# Altium PCB BLDC_DRIVER_1.1.PcbDoc (continued)
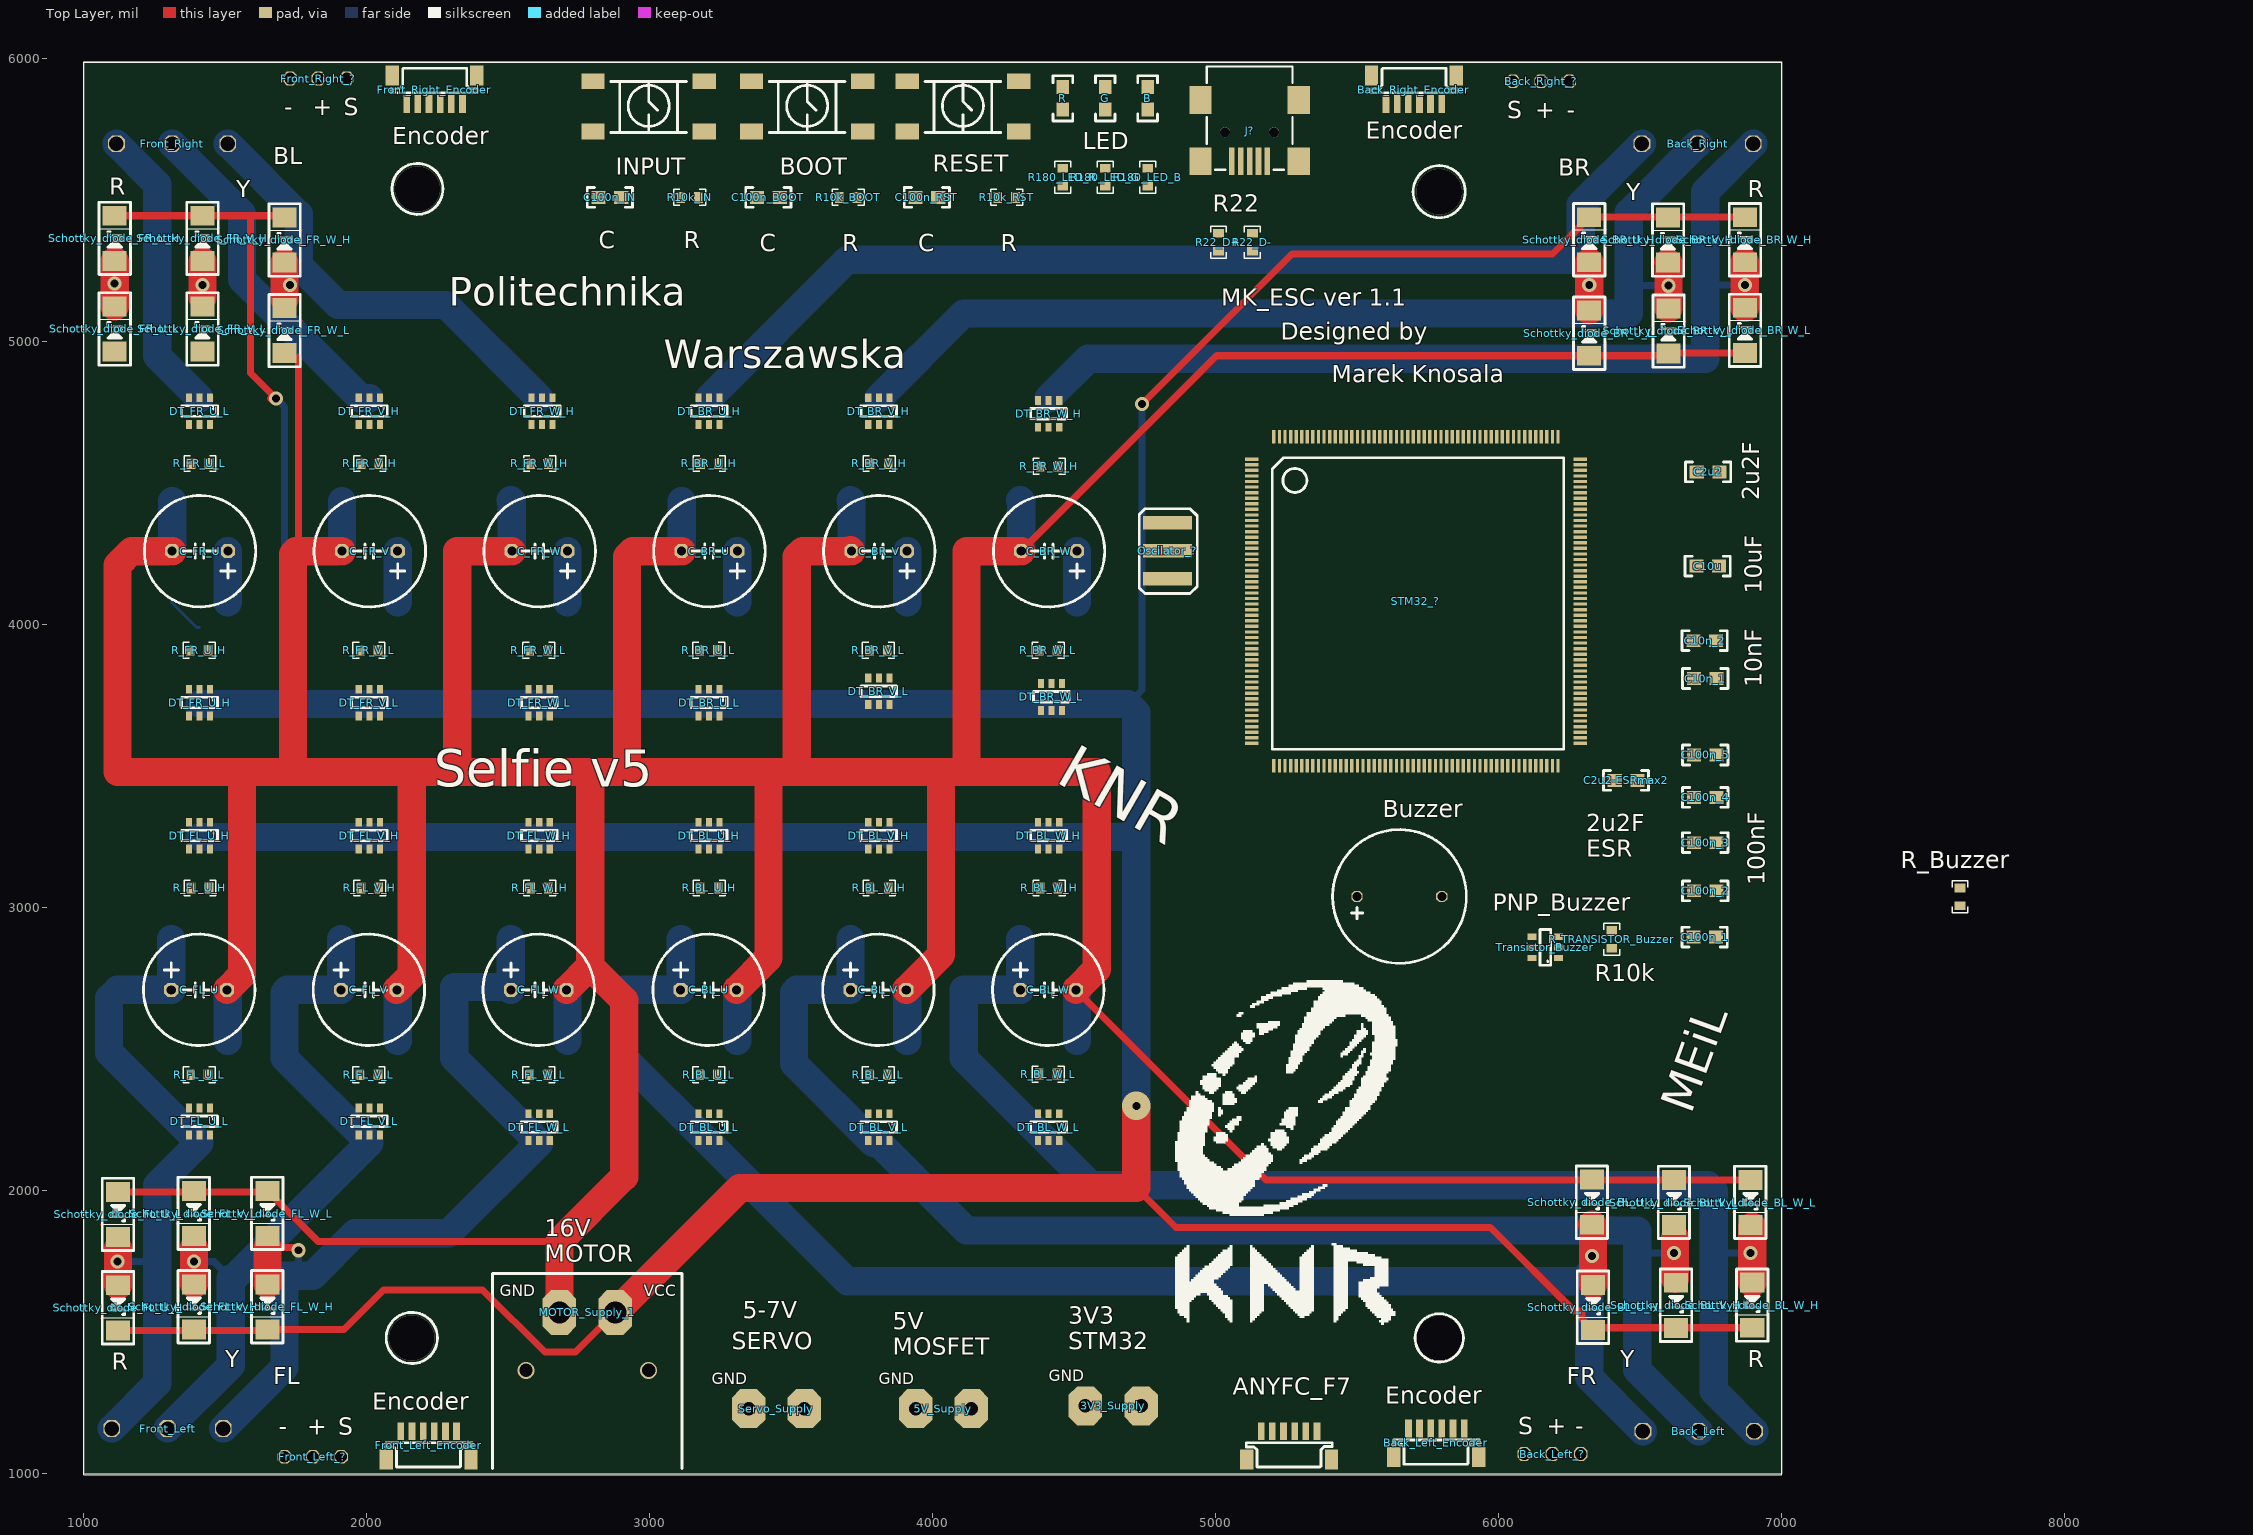
[diagram p0: Top Layer view]
## Components (designator, comment, footprint, x,y, rotation, side; value= is the part's Value field where it differs from the comment) (continued)
R_DT_FL_W_L "Res" R0603 7980,2860 r270 bottom
R_DT_FR_U_H "Res" R0603 7980,3760 r270 bottom
R_DT_FR_U_L "Res" R0603 7730,3760 r270 bottom
R_DT_FR_V_H "Res" R0603 8230,3760 r270 bottom
R_DT_FR_V_L "Res" R0603 7730,4210 r270 bottom
R_DT_FR_W_H "Res" R0603 8480,3760 r270 bottom
R_DT_FR_W_L "Res" R0603 7980,4210 r270 bottom
R_FL_U_H "Res" R0603 1380,3070 r0 top
R_FL_U_L "Res" R0603 1440,2410 r180 top
R_FL_V_H "Res" R0603 1980,3070 r0 top
R_FL_V_L "Res" R0603 2040,2410 r180 top
R_FL_W_H "Res" R0603 2580,3070 r0 top
R_FL_W_L "Res" R0603 2640,2410 r180 top
R_FR_U_H "Res" R0603 1440,3910 r180 top
R_FR_U_L "Res" R0603 1380,4570 r0 top
R_FR_V_H "Res" R0603 1980,4570 r0 top
R_FR_V_L "Res" R0603 2040,3910 r180 top
R_FR_W_H "Res" R0603 2580,4570 r0 top
R_FR_W_L "Res" R0603 2640,3910 r180 top
R_GND_5V_3V3 "Res" R0603 4410,1470 r0 bottom
R_GND_MOT_SERV "Res" R0603 3210,1470 r0 bottom
R_GND_SERV_5V "Res" R0603 3810,1470 r0 bottom
R_TRANSISTOR_Buzzer "Res" R0603 6400,2920 r270 top
RESET "Tact_Switch" "LSH Gullwing" 3910,5920 r180 top
Schottky_diode_BL_U_H "Schottky_diode" DO-214AC 6333.62,1508.07 r270 top
Schottky_diode_BL_U_L "Schottky_diode" DO-214AC 6330,1880 r270 top
Schottky_diode_BL_V_H "Schottky_diode" DO-214AC 6627.09,1515.36 r270 top
Schottky_diode_BL_V_L "Schottky_diode" DO-214AC 6619.81,1878.86 r270 top
Schottky_diode_BL_W_H "Schottky_diode" DO-214AC 6896.11,1516.15 r270 top
Schottky_diode_BL_W_L "Schottky_diode" DO-214AC 6889.81,1878.86 r270 top
Schottky_diode_BR_U_H "Schottky_diode" DO-214AC 6320,5440 r90 top
Schottky_diode_BR_U_L "Schottky_diode" DO-214AC 6320,5110 r90 top
Schottky_diode_BR_V_H "Schottky_diode" DO-214AC 6598.19,5439.49 r90 top
Schottky_diode_BR_V_L "Schottky_diode" DO-214AC 6600,5117.68 r90 top
Schottky_diode_BR_W_H "Schottky_diode" DO-214AC 6870,5440 r90 top
Schottky_diode_BR_W_L "Schottky_diode" DO-214AC 6870,5120 r90 top
Schottky_diode_FL_U_H "Schottky_diode" DO-214AC 1122.13,1506.57 r270 top
Schottky_diode_FL_U_L "Schottky_diode" DO-214AC 1122.13,1836.57 r270 top
Schottky_diode_FL_V_H "Schottky_diode" DO-214AC 1390,1510 r270 top
Schottky_diode_FL_V_L "Schottky_diode" DO-214AC 1390,1840 r270 top
Schottky_diode_FL_W_H "Schottky_diode" DO-214AC 1650,1510 r270 top
Schottky_diode_FL_W_L "Schottky_diode" DO-214AC 1650,1840 r270 top
Schottky_diode_FR_U_H "Schottky_diode" DO-214AC 1110,5445 r90 top
Schottky_diode_FR_U_L "Schottky_diode" DO-214AC 1110,5125 r90 top
Schottky_diode_FR_V_H "Schottky_diode" DO-214AC 1420,5445 r90 top
Schottky_diode_FR_V_L "Schottky_diode" DO-214AC 1420,5125 r90 top
Schottky_diode_FR_W_H "Schottky_diode" DO-214AC 1710,5439.45 r90 top
Schottky_diode_FR_W_L "Schottky_diode" DO-214AC 1710,5119.45 r90 top
Servo_Supply "2-pin" 2-pin-zielony-prosty 3350,1230 r0 top
STM32_? "STM32F769BGT6-SELFIE" LQFP208 5200,4640 r0 top
TO1 "HCPL-090J" SOIC-16 6620,2530 r270 bottom
TO2 "HCPL-090J" SOIC-16 6620,2990 r270 bottom
TO3 "HCPL-090J" SOIC-16 6610,3430 r270 bottom
TO4 "HCPL-090J" SOIC-16 6600,3860 r270 bottom
TO5 "HCPL-090J" SOIC-16 6610,4330 r270 bottom
TO6 "HCPL-090J" SOIC-16 6610,4800 r270 bottom
Transistor_Buzzer "PBSS4160DPN.115" SOT457 6100,2860 r90 top

## Footprints (in the part's own frame and the unit in brackets; to place one, negate y for a bottom-side part, rotate by r counter-clockwise, add the part's x,y. Pads: shape width x height; smd on the part's side, far side on the other; paste and mask are expansions set on the pad)
2-pin-zielony-prosty [mm]
  oct 3x3.5 hole 1.2: 1(0,0) 2(5,0)
  body extent -3.5,-4.7 8.5,3.8, height 12
5mm [mil]
  oct 50x50 hole 32: 1(0,0) 2(196.85,0)
  silkscreen extent -98,-197 295,197, body extent -98,-197 295,197, height 787
0603 [mil]
  rect 50x45 smd: 1(0,0) 2(80,0)
  silkscreen extent -40,-35 120,35, body extent 9,-17 72,17, height 33
65100516121 [mm] "Mini USB 2.0 Type B SMT Horizontal 5 Contacts"
  rect 0.5x2.5 smd: 1(-1.6,3.875) 2(-0.8,3.875) 3(0,3.875) 4(0.8,3.875) 5(1.6,3.875)
  round 0.9 hole 0.9 unplated: MH1(-2.2,1.275) MH2(2.2,1.275)
  rect 2x2.5 smd: Shell(-4.4,3.875) Shell(-4.4,-1.625) Shell(4.4,3.875) Shell(4.4,-1.625)
  silkscreen extent -3.85,-4.62 3.85,4.62, body extent -4.8,-4.62 4.8,4.63, height 3.92
Buzzer_LOUDITY [mm]
  oct 1x1 hole 0.8: 1(-7.6,0) 2(0,0)
  silkscreen extent -9.8,-6 2.2,6, body extent -9.8,-6 5.65,6, height 9.65
CSTCC8M00G53-R0 [mm]
  rect 1.2x4.4 smd: 1(0,0) 2(2.5,0) 3(5,0)
  silkscreen extent -1.27,-2.54 6.35,2.67, body extent -1.06,-1.52 6.14,1.48, height 1.25
DG300-5.0-03P-12-00A [mm]
  oct 1.5x1.5 hole 1.3: 1(0,0) 2(5,0) 3(10,0)
  body extent -2.5,-4 12.5,5, height 12.6
DG300R-5.0-03P-12-00A(H) [mm]
  oct 1.5x1.5 hole 1.3: 1(0,0) 2(5,0) 3(10,0)
  body extent -2.5,-7.3 13.1,2.7, height 7.6
DO-214AC [mm]
  rect 1.78x2.16 smd: 1(-4.05,0) 2(0,0)
  Top Layer lines w0.051: -1.092,-1.575 -1.143,-1.524
  silkscreen extent -5.28,-1.52 1.22,1.4, body extent -4.55,-1.43 0.45,1.27, height 2.33
"JST SR SH 1.0 TOP" [mm]
  rect 0.6x1.6 smd: 1(1.3,2.55) 2(2.3,2.55) 3(3.3,2.55) 4(4.3,2.55) 5(5.3,2.55) 6(6.3,2.55)
  rect 1.2x1.8 smd: 7(7.6,0) 8(0,0)
  silkscreen extent -0.05,-0.66 7.67,1.52, body extent -0.19,-0.74 7.81,2.86, height 4.25
LQFP208 [mm]
  rect 1.2x0.3 smd: 1(-1.85,-1.4) 2(-1.85,-1.9) 3(-1.85,-2.4) 4(-1.85,-2.9) 5(-1.85,-3.4) 6(-1.85,-3.9) 7(-1.85,-4.4) 8(-1.85,-4.9) 9(-1.85,-5.4) 10(-1.85,-5.9) 11(-1.85,-6.4) 12(-1.85,-6.9) 13(-1.85,-7.4) 14(-1.85,-7.9) 15(-1.85,-8.4) 16(-1.85,-8.9) 17(-1.85,-9.4) 18(-1.85,-9.9) 19(-1.85,-10.4) 20(-1.85,-10.9) 21(-1.85,-11.4) 22(-1.85,-11.9) 23(-1.85,-12.4) 24(-1.85,-12.9) 25(-1.85,-13.4) 26(-1.85,-13.9) 27(-1.85,-14.4) 28(-1.85,-14.9) 29(-1.85,-15.4) 30(-1.85,-15.9) 31(-1.85,-16.4) 32(-1.85,-16.9) 33(-1.85,-17.4) 34(-1.85,-17.9) 35(-1.85,-18.4) 36(-1.85,-18.9) 37(-1.85,-19.4) 38(-1.85,-19.9) 39(-1.85,-20.4) 40(-1.85,-20.9) 41(-1.85,-21.4) 42(-1.85,-21.9) 43(-1.85,-22.4) 44(-1.85,-22.9) 45(-1.85,-23.4) 46(-1.85,-23.9) 47(-1.85,-24.4) 48(-1.85,-24.9) 49(-1.85,-25.4) 50(-1.85,-25.9) 51(-1.85,-26.4) 52(-1.85,-26.9) 105(27.65,-26.9) 106(27.65,-26.4) 107(27.65,-25.9) 108(27.65,-25.4) 109(27.65,-24.9) 110(27.65,-24.4) 111(27.65,-23.9) 112(27.65,-23.4) 113(27.65,-22.9) 114(27.65,-22.4) 115(27.65,-21.9) 116(27.65,-21.4) 117(27.65,-20.9) 118(27.65,-20.4) 119(27.65,-19.9) 120(27.65,-19.4) 121(27.65,-18.9) 122(27.65,-18.4) 123(27.65,-17.9) 124(27.65,-17.4) 125(27.65,-16.9) 126(27.65,-16.4) 127(27.65,-15.9) 128(27.65,-15.4) 129(27.65,-14.9) 130(27.65,-14.4) 131(27.65,-13.9) 132(27.65,-13.4) 133(27.65,-12.9) 134(27.65,-12.4) 135(27.65,-11.9) 136(27.65,-11.4) 137(27.65,-10.9) 138(27.65,-10.4) 139(27.65,-9.9) 140(27.65,-9.4) 141(27.65,-8.9) 142(27.65,-8.4) 143(27.65,-7.9) 144(27.65,-7.4) 145(27.65,-6.9) 146(27.65,-6.4) 147(27.65,-5.9) 148(27.65,-5.4) 149(27.65,-4.9) 150(27.65,-4.4) 151(27.65,-3.9) 152(27.65,-3.4) 153(27.65,-2.9) 154(27.65,-2.4) 155(27.65,-1.9) 156(27.65,-1.4)
  rect 0.3x1.2 smd: 53(0.15,-28.9) 54(0.65,-28.9) 55(1.15,-28.9) 56(1.65,-28.9) 57(2.15,-28.9) 58(2.65,-28.9) 59(3.15,-28.9) 60(3.65,-28.9) 61(4.15,-28.9) 62(4.65,-28.9) 63(5.15,-28.9) 64(5.65,-28.9) 65(6.15,-28.9) 66(6.65,-28.9) 67(7.15,-28.9) 68(7.65,-28.9) 69(8.15,-28.9) 70(8.65,-28.9) 71(9.15,-28.9) 72(9.65,-28.9) 73(10.15,-28.9) 74(10.65,-28.9) 75(11.15,-28.9) 76(11.65,-28.9) 77(12.15,-28.9) 78(12.65,-28.9) 79(13.15,-28.9) 80(13.65,-28.9) 81(14.15,-28.9) 82(14.65,-28.9) 83(15.15,-28.9) 84(15.65,-28.9) 85(16.15,-28.9) 86(16.65,-28.9) 87(17.15,-28.9) 88(17.65,-28.9) 89(18.15,-28.9) 90(18.65,-28.9) 91(19.15,-28.9) 92(19.65,-28.9) 93(20.15,-28.9) 94(20.65,-28.9) 95(21.15,-28.9) 96(21.65,-28.9) 97(22.15,-28.9) 98(22.65,-28.9) 99(23.15,-28.9) 100(23.65,-28.9) 101(24.15,-28.9) 102(24.65,-28.9) 103(25.15,-28.9) 104(25.65,-28.9) 157(25.65,0.6) 158(25.15,0.6) 159(24.65,0.6) 160(24.15,0.6) 161(23.65,0.6) 162(23.15,0.6) 163(22.65,0.6) 164(22.15,0.6) 165(21.65,0.6) 166(21.15,0.6) 167(20.65,0.6) 168(20.15,0.6) 169(19.65,0.6) 170(19.15,0.6) 171(18.65,0.6) 172(18.15,0.6) 173(17.65,0.6) 174(17.15,0.6) 175(16.65,0.6) 176(16.15,0.6) 177(15.65,0.6) 178(15.15,0.6) 179(14.65,0.6) 180(14.15,0.6) 181(13.65,0.6) 182(13.15,0.6) 183(12.65,0.6) 184(12.15,0.6) 185(11.65,0.6) 186(11.15,0.6) 187(10.65,0.6) 188(10.15,0.6) 189(9.65,0.6) 190(9.15,0.6) 191(8.65,0.6) 192(8.15,0.6) 193(7.65,0.6) 194(7.15,0.6) 195(6.65,0.6) 196(6.15,0.6) 197(5.65,0.6) 198(5.15,0.6) 199(4.65,0.6) 200(4.15,0.6) 201(3.65,0.6) 202(3.15,0.6) 203(2.65,0.6) 204(2.15,0.6) 205(1.65,0.6) 206(1.15,0.6) 207(0.65,0.6) 208(0.15,0.6)
  silkscreen extent 0,-27.43 26.16,-1.27, body extent -1.84,-28.92 27.66,0.58, height 1.39
"LSH Gullwing" [mm]
  rect 2.1x1.4 smd: 1(-10,4.5) 2(0,4.5) 3(-10,0) 4(0,0)
  silkscreen extent -8.4,0 -1.6,4.6, body extent -10,-0.75 0,5.25, height 4.97
R0603 [mil]
  rect 31x38 smd: 1(0,0) 2(63,0)
  silkscreen extent -25,-28 88,28, body extent -1,-17 62,17, height 19
Raster_2.54_3pin [mm]
  oct 1.22x1.22 hole 1.05: 1(0,0) 2(2.54,0) 3(5.08,0)
  body extent -1.27,-1.27 6.35,1.27, height 8.57
SOIC-16 [mm]
  rect 0.72x1.78 smd: 1(0.11,-0.46) 2(1.38,-0.46) 3(2.65,-0.46) 4(3.92,-0.46) 5(5.19,-0.46) 6(6.46,-0.46) 7(7.73,-0.46) 8(9,-0.46) 9(9,6) 10(7.73,6) 11(6.46,6) 12(5.19,6) 13(3.92,6) 14(2.65,6) 15(1.38,6) 16(0.11,6)
  silkscreen extent -0.53,0.79 9.63,4.73, body extent -0.5,-0.3 9.7,5.7, height 1.7
SOT457 [mm]
  rect 0.55x0.8 smd: 1(-0.95,-2.85) 2(0,-2.85) 3(0.95,-2.85) 4(0.95,-0.45) 5(0,-0.45) 6(-0.95,-0.45)
  silkscreen extent -1.6,-2.13 1.6,-1.18, body extent -1.45,-3.05 1.45,-0.25, height 1.23
TO-263 [mm]
  rect 10.8x9.4 smd: D(-2.54,9.15)
  rect 1.35x4.6 smd: G(-5.08,0) S(0,0)
  silkscreen extent -8.89,-3.05 3.81,14.48, body extent -7.54,-1.94 2.46,13.73, height 4.83
XT30-katowy-in [mm]
  oct 3x4 hole 2: 1(2.5,0) 2(-2.5,0)
  silkscreen extent -8.5,-3.5 8.5,14, body extent -6.65,-0.91 6.65,14.1, height 5.2

## Part data
J?: "Mini USB 2.0 Type B Receptacle WR-COM, Horizontal, SMT, with Pads and Pegs"

## Via types
v1: diameter 50, hole 28, Top Layer to Bottom Layer, 14 vias
v2: diameter 160, hole 160, Top Layer to Bottom Layer, 4 vias
v3: diameter 59.06, hole 47.24, Top Layer to Bottom Layer, 2 vias
v4: diameter 100, hole 28, Top Layer to Bottom Layer, 1 vias

## Nets (pads, with @x,y where several pads share a name; then routed paths per layer and width w, separated by ;. In a path a pad name is that pad's centre, name@x,y a point inside that pad or via, vN(x,y) a via of type N, cw(c..) or ccw(c..) an arc to the next point about the centre after c; other vN are vias at no path point)
3V3: 3V3_Supply.2 ANYFC_F7.1 Back_Left_Encoder.1 Back_Right_Encoder.1 BOOT.3 BOOT.4 C2u2.2 C10n_1.2 C10n_2.2 C10u.2 C100n_1.2 C100n_2.2 C100n_3.2 C100n_4.2 C100n_5.2 C100n_BOOT.2 Front_Left_Encoder.1 Front_Right_Encoder.1 R10k_IN.2 R10k_RST.2 R_Buzzer.2 STM32_?.6 STM32_?.15 STM32_?.26 STM32_?.39 STM32_?.41 STM32_?.42 STM32_?.52 STM32_?.59 STM32_?.73 STM32_?.83 STM32_?.94 STM32_?.103 STM32_?.115 STM32_?.118 STM32_?.137 STM32_?.150 STM32_?.158 STM32_?.171 STM32_?.185 STM32_?.204 TO1.1 TO2.1 TO3.1 TO4.1 TO5.1 TO6.1
GND_3V3: 3V3_Supply.1 ANYFC_F7.2 B.2 Back_Left_Encoder.2 Back_Right_Encoder.2 C2u2.1 C10n_1.1 C10n_2.1 C10u.1 C100n_1.1 C100n_2.1 C100n_3.1 C100n_4.1 C100n_5.1 C100n_IN.2 C100n_RST.2 Front_Left_Encoder.2 Front_Right_Encoder.2 G.2 INPUT.3 INPUT.4 J?.5 Oscilator_?.2 R10k_BOOT.2 R.2 R_GND_5V_3V3.2 RESET.3 RESET.4 STM32_?.14 STM32_?.25 STM32_?.40 STM32_?.51 STM32_?.60 STM32_?.72 STM32_?.82 STM32_?.93 STM32_?.114 STM32_?.122 STM32_?.128 STM32_?.136 STM32_?.149 STM32_?.170 STM32_?.184 STM32_?.202 TO1.2 TO1.8 TO2.2 TO2.8 TO3.2 TO3.8 TO4.2 TO4.8 TO5.2 TO5.8 TO6.2 TO6.8 Transistor_Buzzer.1
GND_5V: 5V_Supply.1 DT_BL_U_H.3 DT_BL_U_L.3 DT_BL_V_H.3 DT_BL_V_L.3 DT_BL_W_H.3 DT_BL_W_L.3 DT_BR_U_H.3 DT_BR_U_L.3 DT_BR_V_H.3 DT_BR_V_L.3 DT_BR_W_H.3 DT_BR_W_L.3 DT_FL_U_H.3 DT_FL_U_L.3 DT_FL_V_H.3 DT_FL_V_L.3 DT_FL_W_H.3 DT_FL_W_L.3 DT_FR_U_H.3 DT_FR_U_L.3 DT_FR_V_H.3 DT_FR_V_L.3 DT_FR_W_H.3 DT_FR_W_L.3 R_GND_5V_3V3.1 R_GND_SERV_5V.2 TO1.9 TO1.15 TO2.9 TO2.15 TO3.9 TO3.15 TO4.9 TO4.15 TO5.9 TO5.15 TO6.9 TO6.15
GND_MOTOR: C_BL_U.2 C_BL_V.2 C_BL_W.2 C_BR_U.2 C_BR_V.2 C_BR_W.2 C_FL_U.2 C_FL_V.2 C_FL_W.2 C_FR_U.2 C_FR_V.2 C_FR_W.2 MOSFET_BL_U_L.S MOSFET_BL_V_L.S MOSFET_BL_W_L.S MOSFET_BR_U_L.S MOSFET_BR_V_L.S MOSFET_BR_W_L.S MOSFET_FL_U_L.S MOSFET_FL_V_L.S MOSFET_FL_W_L.S MOSFET_FR_U_L.S MOSFET_FR_V_L.S MOSFET_FR_W_L.S MOTOR_Supply_1.1 R_GND_MOT_SERV.1 Schottky_diode_BL_U_L.1 Schottky_diode_BL_V_L.1 Schottky_diode_BL_W_L.1 Schottky_diode_BR_U_L.1 Schottky_diode_BR_V_L.1 Schottky_diode_BR_W_L.1 Schottky_diode_FL_U_L.1 Schottky_diode_FL_V_L.1 Schottky_diode_FL_W_L.1 Schottky_diode_FR_U_L.1 Schottky_diode_FR_V_L.1 Schottky_diode_FR_W_L.1 | length 25412.6
  Top Layer w25: Schottky_diode_FL_U_L.1 1646.57,1996.02 Schottky_diode_FL_W_L.1 1827.88,1821.57 2681.57,1821.57 ; Schottky_diode_FR_W_L.1@1734.45,4945.55 Schottky_diode_FR_W_L.1@1740,4940 ; 1740,4250 1750,4260 1760,4270 1760,4945.55 ; C_BR_W.2 5003.7,4950.55 Schottky_diode_BR_U_L.1 6592.32,4950.55 Schottky_diode_BR_V_L.1 6602.32,4960.55 Schottky_diode_BR_W_L.1 ; C_BL_W.2 5178.54,2038.31 Schottky_diode_BL_V_L.1 Schottky_diode_BL_W_L.1
  Top Layer w100: C_FR_U.2 1170,4260 1120,4210 1120,3480 1560,3480 ; C_FL_U.2 1560,2763.15 1560,3480 ; 1740,3480 1740,4250 ; 1750,4260 C_FR_V.2 ; C_FL_V.2 2160,2763.15 2160,3480 ; C_FR_W.2 2320,4260 2320,3480 ; MOTOR_Supply_1.1 2681.57,1821.57 2910,2050 2910,2673.15 2790,2793.15 ; C_FL_W.2 2790,2793.15 ; C_BR_U.2 2940,4260 2920,4240 2920,3480 ; C_BL_U.2 3420,2823.15 3420,3480 ; C_BR_V.2@3710,4263.15 C_BR_V.2 3540,4260 3520,4240 3520,3480 ; C_BL_V.2 4030,2833.15 4030,3480 ; C_BR_W.2 4120,4260 4120,3480 ; C_BL_W.2 4580,2783.15 4580,3480 4120,3480 ; 1560,3480 2160,3480 ; 2160,3480 2320,3480 ; 2320,3480 2790,3480 ; 2790,2793.15 2790,3480 ; 2790,3480 2920,3480 ; 2920,3480 3420,3480 ; 3420,3480 3520,3480 ; 3520,3480 4030,3480 ; 4030,3480 4120,3480
  Bottom Layer w100: C_FR_U.2 MOSFET_FR_U_L.S@1313.15,4436.85 ; C_FL_U.2 1510,2706.85 MOSFET_FL_U_L.S ; C_FR_V.2 MOSFET_FR_V_L.S@1913.15,4436.85 ; C_FL_V.2 2110,2706.85 MOSFET_FL_V_L.S ; MOSFET_FR_W_L.S 2513.15,4436.85 C_FR_W.2 ; MOSFET_FL_W_L.S C_FL_W.2@2710,2706.85 ; C_BR_U.2 MOSFET_BR_U_L.S@3113.15,4436.85 ; C_BL_U.2 3310,2706.85 MOSFET_BL_U_L.S ; MOSFET_BR_V_L.S 3713.15,4436.85 C_BR_V.2 ; C_BL_V.2 3910,2706.85 MOSFET_BL_V_L.S ; MOSFET_BR_W_L.S 4313.15,4436.85 C_BR_W.2 ; MOSFET_BL_W_L.S C_BL_W.2@4510,2706.85
GND_SERVO: Back_Left_?.1 Back_Right_?.1 Front_Left_?.1 Front_Right_?.1 R_GND_MOT_SERV.2 R_GND_SERV_5V.1 Servo_Supply.1
NetANYFC_F7_3: ANYFC_F7.3 STM32_?.30
NetANYFC_F7_4: ANYFC_F7.4 STM32_?.29
NetANYFC_F7_5: ANYFC_F7.5 STM32_?.28
NetANYFC_F7_6: ANYFC_F7.6 STM32_?.27
NetB_1: B.1 R180_LED_B.2
NetBack_Left_1: Back_Left.1 C_BL_U.1 MOSFET_BL_U_H.S MOSFET_BL_U_L.D Schottky_diode_BL_U_H.1 Schottky_diode_BL_U_L.2 | length 5299
  Top Layer w100: Schottky_diode_BL_U_L.2 6333.62,1876.38 Schottky_diode_BL_U_H.1
  Bottom Layer w25: 6260,1680 6260,1700 v1(6330,1770)
  Bottom Layer w100: MOSFET_BL_U_H.S C_BL_U.1 2910,2710 2910,2469.76 MOSFET_BL_U_L.D 3699.76,1680 6260,1680 6320,1680 6320,1340 Back_Left.1
NetBack_Left_2: Back_Left.2 C_BL_V.1 MOSFET_BL_V_H.S MOSFET_BL_V_L.D Schottky_diode_BL_V_H.1 Schottky_diode_BL_V_L.2 | length 4935.1
  Top Layer w100: Schottky_diode_BL_V_H.1@6622.91,1688.42 6622.91,1835.19
  Bottom Layer w25: 6490,1780 v1(6620,1780)
  Bottom Layer w100: MOSFET_BL_V_H.S C_BL_V.1 3520,2710 3510,2700 3510,2450 3790.24,2169.76 MOSFET_BL_V_L.D 4119.76,1860 6490,1860 6490,1780 6490,1366.85 Back_Left.2
NetBack_Left_3: Back_Left.3 C_BL_W.1 MOSFET_BL_W_H.S MOSFET_BL_W_L.D Schottky_diode_BL_W_H.1 Schottky_diode_BL_W_L.2 | length 4701.3
  Top Layer w100: Schottky_diode_BL_W_H.1 Schottky_diode_BL_W_L.2@6896.11,1872.56
  Bottom Layer w25: 6760,1780 v1(6890,1780)
  Bottom Layer w100: MOSFET_BL_W_H.S C_BL_W.1 4110,2710 4110,2469.76 MOSFET_BL_W_L.D 4559.76,2020 6740,2020 6760,2000 6760,1780 6760,1293.7 Back_Left.3
NetBack_Left_?_3: Back_Left_?.3 STM32_?.96
NetBack_Left_Encoder_3: Back_Left_Encoder.3 STM32_?.63
NetBack_Left_Encoder_4: Back_Left_Encoder.4 STM32_?.162
NetBack_Left_Encoder_5: Back_Left_Encoder.5 STM32_?.161
NetBack_Left_Encoder_6: Back_Left_Encoder.6 STM32_?.160
NetBack_Right_1: Back_Right.1 C_BR_W.1 MOSFET_BR_W_H.S MOSFET_BR_W_L.D Schottky_diode_BR_W_H.1 Schottky_diode_BR_W_L.2 | length 3689
  Top Layer w100: Schottky_diode_BR_W_L.2 v1(6870,5200.28) Schottky_diode_BR_W_H.1
  Bottom Layer w25: 6730,5200 6730.28,5200.28 v1(6870,5200.28)
  Bottom Layer w100: MOSFET_BR_W_L.D 4549.76,4940 6730,4940 6730,5200 6730,5530 Back_Right.1 ; MOSFET_BR_W_H.S C_BR_W.1
NetBack_Right_2: Back_Right.2 C_BR_V.1 MOSFET_BR_V_H.S MOSFET_BR_V_L.D Schottky_diode_BR_V_H.1 Schottky_diode_BR_V_L.2 | length 3955.9
  Top Layer w100: Schottky_diode_BR_V_H.1 6600,5278.23 v1(6600,5197.95) Schottky_diode_BR_V_L.2
  Bottom Layer w25: 6462.05,5197.95 v1(6600,5197.95)
  Bottom Layer w100: MOSFET_BR_V_L.D 4109.76,5100 6460,5100 6460,5456.85 Back_Right.2 ; MOSFET_BR_V_H.S C_BR_V.1
NetBack_Right_3: Back_Right.3 C_BR_U.1 MOSFET_BR_U_H.S MOSFET_BR_U_L.D Schottky_diode_BR_U_H.1 Schottky_diode_BR_U_L.2 | length 4235.4
  Top Layer w100: Schottky_diode_BR_U_L.2 v1(6320,5200) Schottky_diode_BR_U_H.1
  Bottom Layer w25: 6290,5290 6290,5230 v1(6320,5200)
  Bottom Layer w100: MOSFET_BR_U_L.D 3699.76,5290 6290,5290 6290,5483.7 Back_Right.3 ; MOSFET_BR_U_H.S C_BR_U.1
NetBack_Right_?_3: Back_Right_?.3 STM32_?.99
NetBack_Right_Encoder_3: Back_Right_Encoder.3 STM32_?.5
NetBack_Right_Encoder_4: Back_Right_Encoder.4 STM32_?.4
NetBack_Right_Encoder_5: Back_Right_Encoder.5 STM32_?.1
NetBack_Right_Encoder_6: Back_Right_Encoder.6 STM32_?.3
NetBOOT_1: BOOT.1 BOOT.2 C100n_BOOT.1 R10k_BOOT.1 STM32_?.197
NetBuzzer_1: Buzzer.1 Transistor_Buzzer.6
NetBuzzer_2: Buzzer.2 R_Buzzer.1
NetC2u2-ESRmax2_1: C2u2-ESRmax2.1 STM32_?.148
NetC2u2-ESRmax2_2: C2u2-ESRmax2.2 STM32_?.92
NetC100n_IN_1: C100n_IN.1 INPUT.1 INPUT.2 R10k_IN.1 STM32_?.48
NetC100n_RST_1: C100n_RST.1 R10k_RST.1 RESET.1 RESET.2 STM32_?.34
NetC_FL_U_1: C_FL_U.1 Front_Left.1 MOSFET_FL_U_H.S MOSFET_FL_U_L.D Schottky_diode_FL_U_H.1 Schottky_diode_FL_U_L.2 | length 2476.4
  Top Layer w100: Schottky_diode_FL_U_H.1 1122.13,1796.57
  Bottom Layer w25: v1(1120,1750) 1230,1750 1260,1720
  Bottom Layer w100: Front_Left.1 1260,1320 1260,1720 1260,2019.76 MOSFET_FL_U_L.D 1090,2489.76 1090,2680 1120,2710 C_FL_U.1 MOSFET_FL_U_H.S
NetC_FL_V_1: C_FL_V.1 Front_Left.2 MOSFET_FL_V_H.S MOSFET_FL_V_L.D Schottky_diode_FL_V_H.1 Schottky_diode_FL_V_L.2 | length 2635.2
  Top Layer w100: Schottky_diode_FL_V_H.1 v1(1390,1750) 1390,1800
  Bottom Layer w25: v1(1390,1750) 1460,1750 1520,1690
  Bottom Layer w100: Front_Left.2 1520,1383.15 1520,1690 1530.24,1690 MOSFET_FL_V_L.D 1710,2469.76 1710,2700 1720,2710 C_FL_V.1 MOSFET_FL_V_H.S
NetC_FL_W_1: C_FL_W.1 Front_Left.3 MOSFET_FL_W_H.S MOSFET_FL_W_L.D Schottky_diode_FL_W_H.1 Schottky_diode_FL_W_L.2 | length 3138.2
  Top Layer w25: 1650,1800 1750,1800 v1(1760,1790)
  Top Layer w100: Schottky_diode_FL_W_H.1 1650,1800
  Bottom Layer w25: 1710,1700 1760,1750 v1(1760,1790)
  Bottom Layer w100: Front_Left.3 1710,1376.3 1710,1700 1810,1700 1959.76,1849.76 2290,1849.76 MOSFET_FL_W_L.D 2310,2469.76 2310,2720 2500,2720 C_FL_W.1 MOSFET_FL_W_H.S
NetC_FR_U_1: C_FR_U.1 Front_Right.3 MOSFET_FR_U_H.S MOSFET_FR_U_L.D Schottky_diode_FR_U_H.1 Schottky_diode_FR_U_L.2 | length 1362
  Top Layer w100: Schottky_diode_FR_U_L.2 Schottky_diode_FR_U_H.1
  Bottom Layer w100: Front_Right.3 1260,5556.3 1260,4950.24 MOSFET_FR_U_L.D ; MOSFET_FR_U_H.S C_FR_U.1
  other v1: 1110,5205.28
NetC_FR_V_1: C_FR_V.1 Front_Right.2 MOSFET_FR_V_H.S MOSFET_FR_V_L.D Schottky_diode_FR_V_H.1 Schottky_diode_FR_V_L.2 | length 1516.7
  Top Layer w100: Schottky_diode_FR_V_L.2@1420,5155 Schottky_diode_FR_V_H.1
  Bottom Layer w100: Front_Right.2 1560,5453.15 1560,5220 1979.76,4800.24 MOSFET_FR_V_L.D ; MOSFET_FR_V_H.S C_FR_V.1
  other v1: 1420,5200
NetC_FR_W_1: C_FR_W.1 Front_Right.1 MOSFET_FR_W_H.S MOSFET_FR_W_L.D Schottky_diode_FR_W_H.1 Schottky_diode_FR_W_L.2 | length 1888.7
  Top Layer w100: Schottky_diode_FR_W_L.2@1710,5149.45 Schottky_diode_FR_W_H.1
  Bottom Layer w100: Front_Right.1 1760,5450 1760,5270 1900,5130 2280.24,5130 MOSFET_FR_W_L.D ; MOSFET_FR_W_H.S C_FR_W.1
  other v1: 1730,5200
NetDT_BL_U_H_1: DT_BL_U_H.1 DT_BL_U_H.4 R_BL_U_H.1
NetDT_BL_U_H_2: DT_BL_U_H.2 DT_BL_U_H.5 R_DT_BL_U_H.2
NetDT_BL_U_L_1: DT_BL_U_L.1 DT_BL_U_L.4 R_BL_U_L.1
NetDT_BL_U_L_2: DT_BL_U_L.2 DT_BL_U_L.5 R_DT_BL_U_L.2
NetDT_BL_V_H_1: DT_BL_V_H.1 DT_BL_V_H.4 R_BL_V_H.1
NetDT_BL_V_H_2: DT_BL_V_H.2 DT_BL_V_H.5 R_DT_BL_V_H.2
NetDT_BL_V_L_1: DT_BL_V_L.1 DT_BL_V_L.4 R_BL_V_L.1
NetDT_BL_V_L_2: DT_BL_V_L.2 DT_BL_V_L.5 R_DT_BL_V_L.2
NetDT_BL_W_H_1: DT_BL_W_H.1 DT_BL_W_H.4 R_BL_W_H.1
NetDT_BL_W_H_2: DT_BL_W_H.2 DT_BL_W_H.5 R_DT_BL_W_H.2
NetDT_BL_W_L_1: DT_BL_W_L.1 DT_BL_W_L.4 R_BL_W_L.1
NetDT_BL_W_L_2: DT_BL_W_L.2 DT_BL_W_L.5 R_DT_BL_W_L.2
NetDT_BR_U_H_1: DT_BR_U_H.1 DT_BR_U_H.4 R_BR_U_H.1
NetDT_BR_U_H_2: DT_BR_U_H.2 DT_BR_U_H.5 R_DT_BR_U_H.2
NetDT_BR_U_L_1: DT_BR_U_L.1 DT_BR_U_L.4 R_BR_U_L.1
NetDT_BR_U_L_2: DT_BR_U_L.2 DT_BR_U_L.5 R_DT_BR_U_L.2
NetDT_BR_V_H_1: DT_BR_V_H.1 DT_BR_V_H.4 R_BR_V_H.1
NetDT_BR_V_H_2: DT_BR_V_H.2 DT_BR_V_H.5 R_DT_BR_V_H.2
NetDT_BR_V_L_1: DT_BR_V_L.1 DT_BR_V_L.4 R_BR_V_L.1
NetDT_BR_V_L_2: DT_BR_V_L.2 DT_BR_V_L.5 R_DT_BR_V_L.2
NetDT_BR_W_H_1: DT_BR_W_H.1 DT_BR_W_H.4 R_BR_W_H.1
NetDT_BR_W_H_2: DT_BR_W_H.2 DT_BR_W_H.5 R_DT_BR_W_H.2
NetDT_BR_W_L_1: DT_BR_W_L.1 DT_BR_W_L.4 R_BR_W_L.1
NetDT_BR_W_L_2: DT_BR_W_L.2 DT_BR_W_L.5 R_DT_BR_W_L.2
NetDT_FL_U_H_1: DT_FL_U_H.1 DT_FL_U_H.4 R_FL_U_H.1
NetDT_FL_U_H_2: DT_FL_U_H.2 DT_FL_U_H.5 R_DT_FL_U_H.2
NetDT_FL_U_L_1: DT_FL_U_L.1 DT_FL_U_L.4 R_FL_U_L.1
NetDT_FL_U_L_2: DT_FL_U_L.2 DT_FL_U_L.5 R_DT_FL_U_L.2
NetDT_FL_V_H_1: DT_FL_V_H.1 DT_FL_V_H.4 R_FL_V_H.1
NetDT_FL_V_H_2: DT_FL_V_H.2 DT_FL_V_H.5 R_DT_FL_V_H.2
NetDT_FL_V_L_1: DT_FL_V_L.1 DT_FL_V_L.4 R_FL_V_L.1
NetDT_FL_V_L_2: DT_FL_V_L.2 DT_FL_V_L.5 R_DT_FL_V_L.2
NetDT_FL_W_H_1: DT_FL_W_H.1 DT_FL_W_H.4 R_FL_W_H.1
NetDT_FL_W_H_2: DT_FL_W_H.2 DT_FL_W_H.5 R_DT_FL_W_H.2
NetDT_FL_W_L_1: DT_FL_W_L.1 DT_FL_W_L.4 R_FL_W_L.1
NetDT_FL_W_L_2: DT_FL_W_L.2 DT_FL_W_L.5 R_DT_FL_W_L.2
NetDT_FR_U_H_1: DT_FR_U_H.1 DT_FR_U_H.4 R_FR_U_H.1 | length 13.7
  Top Layer w10: DT_FR_U_H.4@1370.31,3680 DT_FR_U_H.4 ; R_FR_U_H.1 R_FR_U_H.1@1447.4,3902.6
NetDT_FR_U_H_2: DT_FR_U_H.2 DT_FR_U_H.5 R_DT_FR_U_H.2 | length 9.8
  Top Layer w10: DT_FR_U_H.5@1410,3670.16 DT_FR_U_H.5 ; DT_FR_U_H.2@1410,3770 DT_FR_U_H.2
NetDT_FR_U_L_1: DT_FR_U_L.1 DT_FR_U_L.4 R_FR_U_L.1
NetDT_FR_U_L_2: DT_FR_U_L.2 DT_FR_U_L.5 R_DT_FR_U_L.2
NetDT_FR_V_H_1: DT_FR_V_H.1 DT_FR_V_H.4 R_FR_V_H.1
NetDT_FR_V_H_2: DT_FR_V_H.2 DT_FR_V_H.5 R_DT_FR_V_H.2
NetDT_FR_V_L_1: DT_FR_V_L.1 DT_FR_V_L.4 R_FR_V_L.1
NetDT_FR_V_L_2: DT_FR_V_L.2 DT_FR_V_L.5 R_DT_FR_V_L.2
NetDT_FR_W_H_1: DT_FR_W_H.1 DT_FR_W_H.4 R_FR_W_H.1
NetDT_FR_W_H_2: DT_FR_W_H.2 DT_FR_W_H.5 R_DT_FR_W_H.2
NetDT_FR_W_L_1: DT_FR_W_L.1 DT_FR_W_L.4 R_FR_W_L.1
NetDT_FR_W_L_2: DT_FR_W_L.2 DT_FR_W_L.5 R_DT_FR_W_L.2
NetFront_Left_?_3: Front_Left_?.3 STM32_?.45
NetFront_Left_Encoder_3: Front_Left_Encoder.3 STM32_?.173
NetFront_Left_Encoder_4: Front_Left_Encoder.4 STM32_?.178
NetFront_Left_Encoder_5: Front_Left_Encoder.5 STM32_?.180
NetFront_Left_Encoder_6: Front_Left_Encoder.6 STM32_?.53
NetFront_Right_?_3: Front_Right_?.3 STM32_?.50
NetFront_Right_Encoder_3: Front_Right_Encoder.3 STM32_?.36
NetFront_Right_Encoder_4: Front_Right_Encoder.4 STM32_?.37
NetFront_Right_Encoder_5: Front_Right_Encoder.5 STM32_?.105
NetFront_Right_Encoder_6: Front_Right_Encoder.6 STM32_?.104
NetG_1: G.1 R180_LED_G.2
NetJ?_2: J?.2 R22_D-.2
NetJ?_3: J?.3 R22_D+.2
NetMOSFET_BL_U_H_G: MOSFET_BL_U_H.G R_BL_U_H.2
NetMOSFET_BL_U_L_G: MOSFET_BL_U_L.G R_BL_U_L.2
NetMOSFET_BL_V_H_G: MOSFET_BL_V_H.G R_BL_V_H.2
NetMOSFET_BL_V_L_G: MOSFET_BL_V_L.G R_BL_V_L.2
NetMOSFET_BL_W_H_G: MOSFET_BL_W_H.G R_BL_W_H.2
NetMOSFET_BL_W_L_G: MOSFET_BL_W_L.G R_BL_W_L.2
NetMOSFET_BR_U_H_G: MOSFET_BR_U_H.G R_BR_U_H.2
NetMOSFET_BR_U_L_G: MOSFET_BR_U_L.G R_BR_U_L.2
NetMOSFET_BR_V_H_G: MOSFET_BR_V_H.G R_BR_V_H.2
NetMOSFET_BR_V_L_G: MOSFET_BR_V_L.G R_BR_V_L.2
NetMOSFET_BR_W_H_G: MOSFET_BR_W_H.G R_BR_W_H.2
NetMOSFET_BR_W_L_G: MOSFET_BR_W_L.G R_BR_W_L.2
NetMOSFET_FL_U_H_G: MOSFET_FL_U_H.G R_FL_U_H.2
NetMOSFET_FL_U_L_G: MOSFET_FL_U_L.G R_FL_U_L.2
NetMOSFET_FL_V_H_G: MOSFET_FL_V_H.G R_FL_V_H.2
NetMOSFET_FL_V_L_G: MOSFET_FL_V_L.G R_FL_V_L.2
NetMOSFET_FL_W_H_G: MOSFET_FL_W_H.G R_FL_W_H.2
NetMOSFET_FL_W_L_G: MOSFET_FL_W_L.G R_FL_W_L.2
NetMOSFET_FR_U_H_G: MOSFET_FR_U_H.G R_FR_U_H.2 | length 137.3
  Bottom Layer w10: MOSFET_FR_U_H.G 1400,3990 1410,3990
NetMOSFET_FR_U_L_G: MOSFET_FR_U_L.G R_FR_U_L.2
NetMOSFET_FR_V_H_G: MOSFET_FR_V_H.G R_FR_V_H.2
NetMOSFET_FR_V_L_G: MOSFET_FR_V_L.G R_FR_V_L.2
NetMOSFET_FR_W_H_G: MOSFET_FR_W_H.G R_FR_W_H.2
NetMOSFET_FR_W_L_G: MOSFET_FR_W_L.G R_FR_W_L.2
NetOscilator_?_1: Oscilator_?.1 STM32_?.32
NetOscilator_?_3: Oscilator_?.3 STM32_?.33
NetR22_D+_1: R22_D+.1 STM32_?.146
NetR22_D-_1: R22_D-.1 STM32_?.145
NetR180_LED_B_1: R180_LED_B.1 STM32_?.194
NetR180_LED_G_1: R180_LED_G.1 STM32_?.193
NetR180_LED_R_1: R180_LED_R.1 STM32_?.192
NetR180_LED_R_2: R180_LED_R.2 R.1
NetR_DT_BL_U_H_1: R_DT_BL_U_H.1 TO2.13
NetR_DT_BL_U_L_1: R_DT_BL_U_L.1 TO3.12
NetR_DT_BL_V_H_1: R_DT_BL_V_H.1 TO2.14
NetR_DT_BL_V_L_1: R_DT_BL_V_L.1 TO3.13
NetR_DT_BL_W_H_1: R_DT_BL_W_H.1 TO3.11
NetR_DT_BL_W_L_1: R_DT_BL_W_L.1 TO3.14
NetR_DT_BR_U_H_1: R_DT_BR_U_H.1 TO5.13
NetR_DT_BR_U_L_1: R_DT_BR_U_L.1 TO6.12
NetR_DT_BR_V_H_1: R_DT_BR_V_H.1 TO5.14
NetR_DT_BR_V_L_1: R_DT_BR_V_L.1 TO6.13
NetR_DT_BR_W_H_1: R_DT_BR_W_H.1 TO6.11
NetR_DT_BR_W_L_1: R_DT_BR_W_L.1 TO6.14
NetR_DT_FL_U_H_1: R_DT_FL_U_H.1 TO1.11
NetR_DT_FL_U_L_1: R_DT_FL_U_L.1 TO1.14
NetR_DT_FL_V_H_1: R_DT_FL_V_H.1 TO1.12
NetR_DT_FL_V_L_1: R_DT_FL_V_L.1 TO2.11
NetR_DT_FL_W_H_1: R_DT_FL_W_H.1 TO1.13
NetR_DT_FL_W_L_1: R_DT_FL_W_L.1 TO2.12
NetR_DT_FR_U_H_1: R_DT_FR_U_H.1 TO4.11
NetR_DT_FR_U_L_1: R_DT_FR_U_L.1 TO4.14
NetR_DT_FR_V_H_1: R_DT_FR_V_H.1 TO4.12
NetR_DT_FR_V_L_1: R_DT_FR_V_L.1 TO5.11
NetR_DT_FR_W_H_1: R_DT_FR_W_H.1 TO4.13
NetR_DT_FR_W_L_1: R_DT_FR_W_L.1 TO5.12
NetR_TRANSISTOR_Buzzer_1: R_TRANSISTOR_Buzzer.1 STM32_?.198
NetR_TRANSISTOR_Buzzer_2: R_TRANSISTOR_Buzzer.2 Transistor_Buzzer.2
NetSTM32_?_44: STM32_?.44 TO2.5
NetSTM32_?_54: STM32_?.54 TO2.6
NetSTM32_?_55: STM32_?.55 TO3.6
NetSTM32_?_56: STM32_?.56 TO3.5
NetSTM32_?_61: STM32_?.61 TO3.4
NetSTM32_?_62: STM32_?.62 TO3.3
NetSTM32_?_81: STM32_?.81 TO1.6
NetSTM32_?_85: STM32_?.85 TO1.5
NetSTM32_?_87: STM32_?.87 TO1.4
NetSTM32_?_88: STM32_?.88 TO1.3
NetSTM32_?_90: STM32_?.90 TO2.4
NetSTM32_?_91: STM32_?.91 TO2.3
NetSTM32_?_100: STM32_?.100 TO5.6
NetSTM32_?_101: STM32_?.101 TO5.5
NetSTM32_?_102: STM32_?.102 TO5.4
NetSTM32_?_112: STM32_?.112 TO4.6
NetSTM32_?_113: STM32_?.113 TO4.5
NetSTM32_?_116: STM32_?.116 TO4.4
NetSTM32_?_117: STM32_?.117 TO4.3
NetSTM32_?_119: STM32_?.119 STM32_?.125
NetSTM32_?_138: STM32_?.138 TO6.6
NetSTM32_?_139: STM32_?.139 TO6.5
NetSTM32_?_140: STM32_?.140 TO6.4
NetSTM32_?_141: STM32_?.141 TO6.3
NetSTM32_?_154: STM32_?.154 TO5.3
VCC_5V: 5V_Supply.2 DT_BL_U_H.6 DT_BL_U_L.6 DT_BL_V_H.6 DT_BL_V_L.6 DT_BL_W_H.6 DT_BL_W_L.6 DT_BR_U_H.6 DT_BR_U_L.6 DT_BR_V_H.6 DT_BR_V_L.6 DT_BR_W_H.6 DT_BR_W_L.6 DT_FL_U_H.6 DT_FL_U_L.6 DT_FL_V_H.6 DT_FL_V_L.6 DT_FL_W_H.6 DT_FL_W_L.6 DT_FR_U_H.6 DT_FR_U_L.6 DT_FR_V_H.6 DT_FR_V_L.6 DT_FR_W_H.6 DT_FR_W_L.6 TO1.16 TO2.16 TO3.16 TO4.16 TO5.16 TO6.16
VCC_MOTOR: MOSFET_BL_U_H.D MOSFET_BL_V_H.D MOSFET_BL_W_H.D MOSFET_BR_U_H.D MOSFET_BR_V_H.D MOSFET_BR_W_H.D MOSFET_FL_U_H.D MOSFET_FL_V_H.D MOSFET_FL_W_H.D MOSFET_FR_U_H.D MOSFET_FR_V_H.D MOSFET_FR_W_H.D MOTOR_Supply_1.2 Schottky_diode_BL_U_H.2 Schottky_diode_BL_V_H.2 Schottky_diode_BL_W_H.2 Schottky_diode_BR_U_H.2 Schottky_diode_BR_V_H.2 Schottky_diode_BR_W_H.2 Schottky_diode_FL_U_H.2 Schottky_diode_FL_V_H.2 Schottky_diode_FL_W_H.2 Schottky_diode_FR_U_H.2 Schottky_diode_FR_V_H.2 Schottky_diode_FR_W_H.2 | length 20310
  Top Layer w25: Schottky_diode_FR_U_H.2 Schottky_diode_FR_V_H.2 1590,5445 ; Schottky_diode_FL_U_H.2 1606.57,1506.57 ; Schottky_diode_FL_W_H.2@1646.57,1506.57 Schottky_diode_FL_W_H.2 1920,1510 2060,1650 2410,1650 2630,1430 2738.43,1430 MOTOR_Supply_1.2 ; v1@1660,4800 v1(1680,4800) 1590,4890 1590,5445 ; Schottky_diode_FR_W_H.2 1704.45,5445 1590,5445 ; 4720,2010 4860,1870 5971.69,1870 6267.12,1574.57 6295.12,1574.57 6295.12,1546.57 Schottky_diode_BL_U_H.2 6341.7,1516.15 Schottky_diode_BL_W_H.2 ; v1(4740,4780) 5270,5310 6190,5310 Schottky_diode_BR_U_H.2 Schottky_diode_BR_W_H.2
  Top Layer w100: MOTOR_Supply_1.2 3318.43,2010 4720,2010 v4(4720,2300)
  Bottom Layer w25: MOSFET_FL_U_H.D@1400.24,3260 MOSFET_FL_U_H.D ; v1(1680,4800) 1710,4770 1710,3719.76 ; 4689.76,3719.76 4740,3770 v1(4740,4780)
  Bottom Layer w100: MOSFET_FL_U_H.D MOSFET_FL_V_H.D@1960,3250.24 ; MOSFET_FR_U_H.D MOSFET_FR_V_H.D MOSFET_FR_W_H.D MOSFET_BR_U_H.D MOSFET_BR_V_H.D MOSFET_BR_W_H.D 4689.76,3719.76 4720,3689.53 4720,3250 ; MOSFET_FL_V_H.D MOSFET_FL_W_H.D@2560,3250.24 ; MOSFET_FL_W_H.D MOSFET_BL_U_H.D@3160,3250.24 ; MOSFET_BL_U_H.D MOSFET_BL_V_H.D@3760,3250.24 ; MOSFET_BL_V_H.D@3860,3250.24 MOSFET_BL_W_H.D 4410.24,3250 4720,3250 ; v4(4720,2300) 4720,3250
VCC_SERVO: Back_Left_?.2 Back_Right_?.2 Front_Left_?.2 Front_Right_?.2 Servo_Supply.2
pads on no net: ANYFC_F7.7 ANYFC_F7.8 Back_Left_Encoder.7 Back_Left_Encoder.8 Back_Right_Encoder.7 Back_Right_Encoder.8 Front_Left_Encoder.7 Front_Left_Encoder.8 Front_Right_Encoder.7 Front_Right_Encoder.8 J?.1 J?.4 J?.MH1 J?.MH2 J?.Shell STM32_?.2 STM32_?.7 STM32_?.8 STM32_?.9 STM32_?.10 STM32_?.11 STM32_?.12 STM32_?.13 STM32_?.16 STM32_?.17 STM32_?.18 STM32_?.19 STM32_?.20 STM32_?.21 STM32_?.22 STM32_?.23 STM32_?.24 STM32_?.31 STM32_?.35 STM32_?.38 STM32_?.43 STM32_?.46 STM32_?.47 STM32_?.49 STM32_?.57 STM32_?.58 STM32_?.64 STM32_?.65 STM32_?.66 STM32_?.67 STM32_?.68 STM32_?.69 STM32_?.70 STM32_?.71 STM32_?.74 STM32_?.75 STM32_?.76 STM32_?.77 STM32_?.78 STM32_?.79 STM32_?.80 STM32_?.84 STM32_?.86 STM32_?.89 STM32_?.95 STM32_?.97 STM32_?.98 STM32_?.106 STM32_?.107 STM32_?.108 STM32_?.109 STM32_?.110 STM32_?.111 STM32_?.120 STM32_?.121 STM32_?.123 STM32_?.124 STM32_?.126 STM32_?.127 STM32_?.129 STM32_?.130 STM32_?.131 STM32_?.132 STM32_?.133 STM32_?.134 STM32_?.135 STM32_?.142 STM32_?.143 STM32_?.144 STM32_?.147 STM32_?.151 STM32_?.152 STM32_?.153 STM32_?.155 STM32_?.156 STM32_?.157 STM32_?.159 STM32_?.163 STM32_?.164 STM32_?.165 STM32_?.166 STM32_?.167 STM32_?.168 STM32_?.169 STM32_?.172 STM32_?.174 STM32_?.175 STM32_?.176 STM32_?.177 STM32_?.179 STM32_?.181 STM32_?.182 STM32_?.183 STM32_?.186 STM32_?.187 STM32_?.188 STM32_?.189 STM32_?.190 STM32_?.191 STM32_?.195 STM32_?.196 STM32_?.199 STM32_?.200 STM32_?.201 STM32_?.203 STM32_?.205 STM32_?.206 STM32_?.207 STM32_?.208 TO1.7 TO1.10 TO2.7 TO2.10 TO3.7 TO3.10 TO4.7 TO4.10 TO5.7 TO5.10 TO6.7 TO6.10 Transistor_Buzzer.3 Transistor_Buzzer.4 Transistor_Buzzer.5
copper on no net:
  other v2: 2160,1480 5790,1480 5790,5530 2180,5540
  other v3: 2563.46,1365.28 2996.54,1365.28

## Polygon pours and split planes (outlines as drawn)
no net on Internal Plane 1 (split plane): 6979.9,1020.1 1020.1,1020.1 1020.1,5969.9 6979.9,5969.9
no net on Internal Plane 2 (split plane): 6979.9,1020.1 1020.1,1020.1 1020.1,5969.9 6979.9,5969.9

## Silkscreen, mask and mechanical layers (free items; w line width, h text height)
Top Overlay:
  drawing of 27 lines, arcs and shapes, not listed
  text "-" at 1710,5800 h60
  text "+" at 1810,5800 h60
  text "S" at 1920,5800 h60
  text "S" at 6030,5790 h60
  text "+" at 6130,5790 h60
  text "-" at 6240,5790 h60
  text "Encoder" at 5530,5717.17 h60
  text "Encoder" at 2090,5697.17 h60
  text "LED" at 4530,5680 h60
  text "BL" at 1670,5627.17 h60
  text "BR" at 6210,5587.17 h60
  text "R" at 1090,5520 h60
  text "Y" at 1540,5510 h60
  text "R" at 6880,5510 h60
  text "Y" at 6450,5500 h60
  text "R22" at 4990,5460 h60
  text "C" at 2820,5330 h60
  text "R" at 3120,5330 h60
  text "C" at 3390,5320 h60
  text "R" at 3680,5320 h60
  text "C" at 3950,5320 h60
  text "R" at 4240,5320 h60
  text "Politechnika" at 2290,5127.17 h100
  text "MK_ESC ver 1.1" at 5020,5127.17 h60
  text "Designed by" at 5230,5007.17 h60
  text "Warszawska" at 3050,4907.17 h100
  text "Marek Knosala" at 5410,4857.17 h60
  text "2u2F" at 6920,4440 h60 r90
  text "10uF" at 6930,4110 h60 r90
  text "10nF" at 6930,3780 h60 r90
  text "KNR" at 4430,3447.17 h160 r330
  text "Selfie v5" at 2240,3427.17 h130
  text "Selfie v5" at 2240,3427.17 h130
  text "2u2F / ESR" at 6310,3180 h60
  text "100nF" at 6940,3080 h60 r90
  text "PNP_Buzzer" at 5980,2990 h60
  text "R10k" at 6340,2740 h60
  text "MEiL" at 6680,2267.17 h120 r70
  text "16V / MOTOR" at 2630,1750 h60
  text "GND" at 2470,1627.17 h40
  text "VCC" at 2980,1627.17 h40
  text "5-7V" at 3330,1550 h60
  text "SERVO" at 3290,1440 h60
  text "3V3 / STM32" at 4480,1440 h60
  text "5V / MOSFET" at 3860,1420 h60
  text "Y" at 1500,1377.17 h60
  text "Y" at 6430,1377.17 h60
  text "R" at 6880,1377.17 h60
  text "R" at 1100,1367.17 h60
  text "GND" at 4410,1327.17 h40
  text "FL" at 1670,1317.17 h60
  text "GND" at 3220,1317.17 h40
  text "GND" at 3810,1317.17 h40
  text "FR" at 6240,1317.17 h60
  text "Encoder" at 5600,1247.17 h60
  text "Encoder" at 2020,1227.17 h60
  text "S" at 6070,1140 h60
  text "+" at 6170,1140 h60
  text "-" at 6270,1140 h60
  text "-" at 1690,1137.17 h60
  text "+" at 1790,1137.17 h60
  text "S" at 1900,1137.17 h60
Bottom Overlay:
  text "R_PNP_NPN" at 5862.13,3429.53 h60
  text "Mosfets" at 4527.87,3290.47 h60 r270
  text "Opto-isolators" at 6817.87,3130.47 h60 r270
  text "Opto-isolators" at 6820,3130 h60 r270
  text "3V3-5V_GND" at 4620,1540 h40
  text "MOTOR-SERVO_GND" at 3590,1530 h40
  text "SERVO-5V_GND" at 4140,1530 h40
  text "GND" at 3914.51,1090.47 h40
  text "GND" at 4484.51,1090.47 h40
  text "GND" at 3314.51,1080.47 h40